# KiCad board bitdoglab_smd.kicad_pcb (continued)
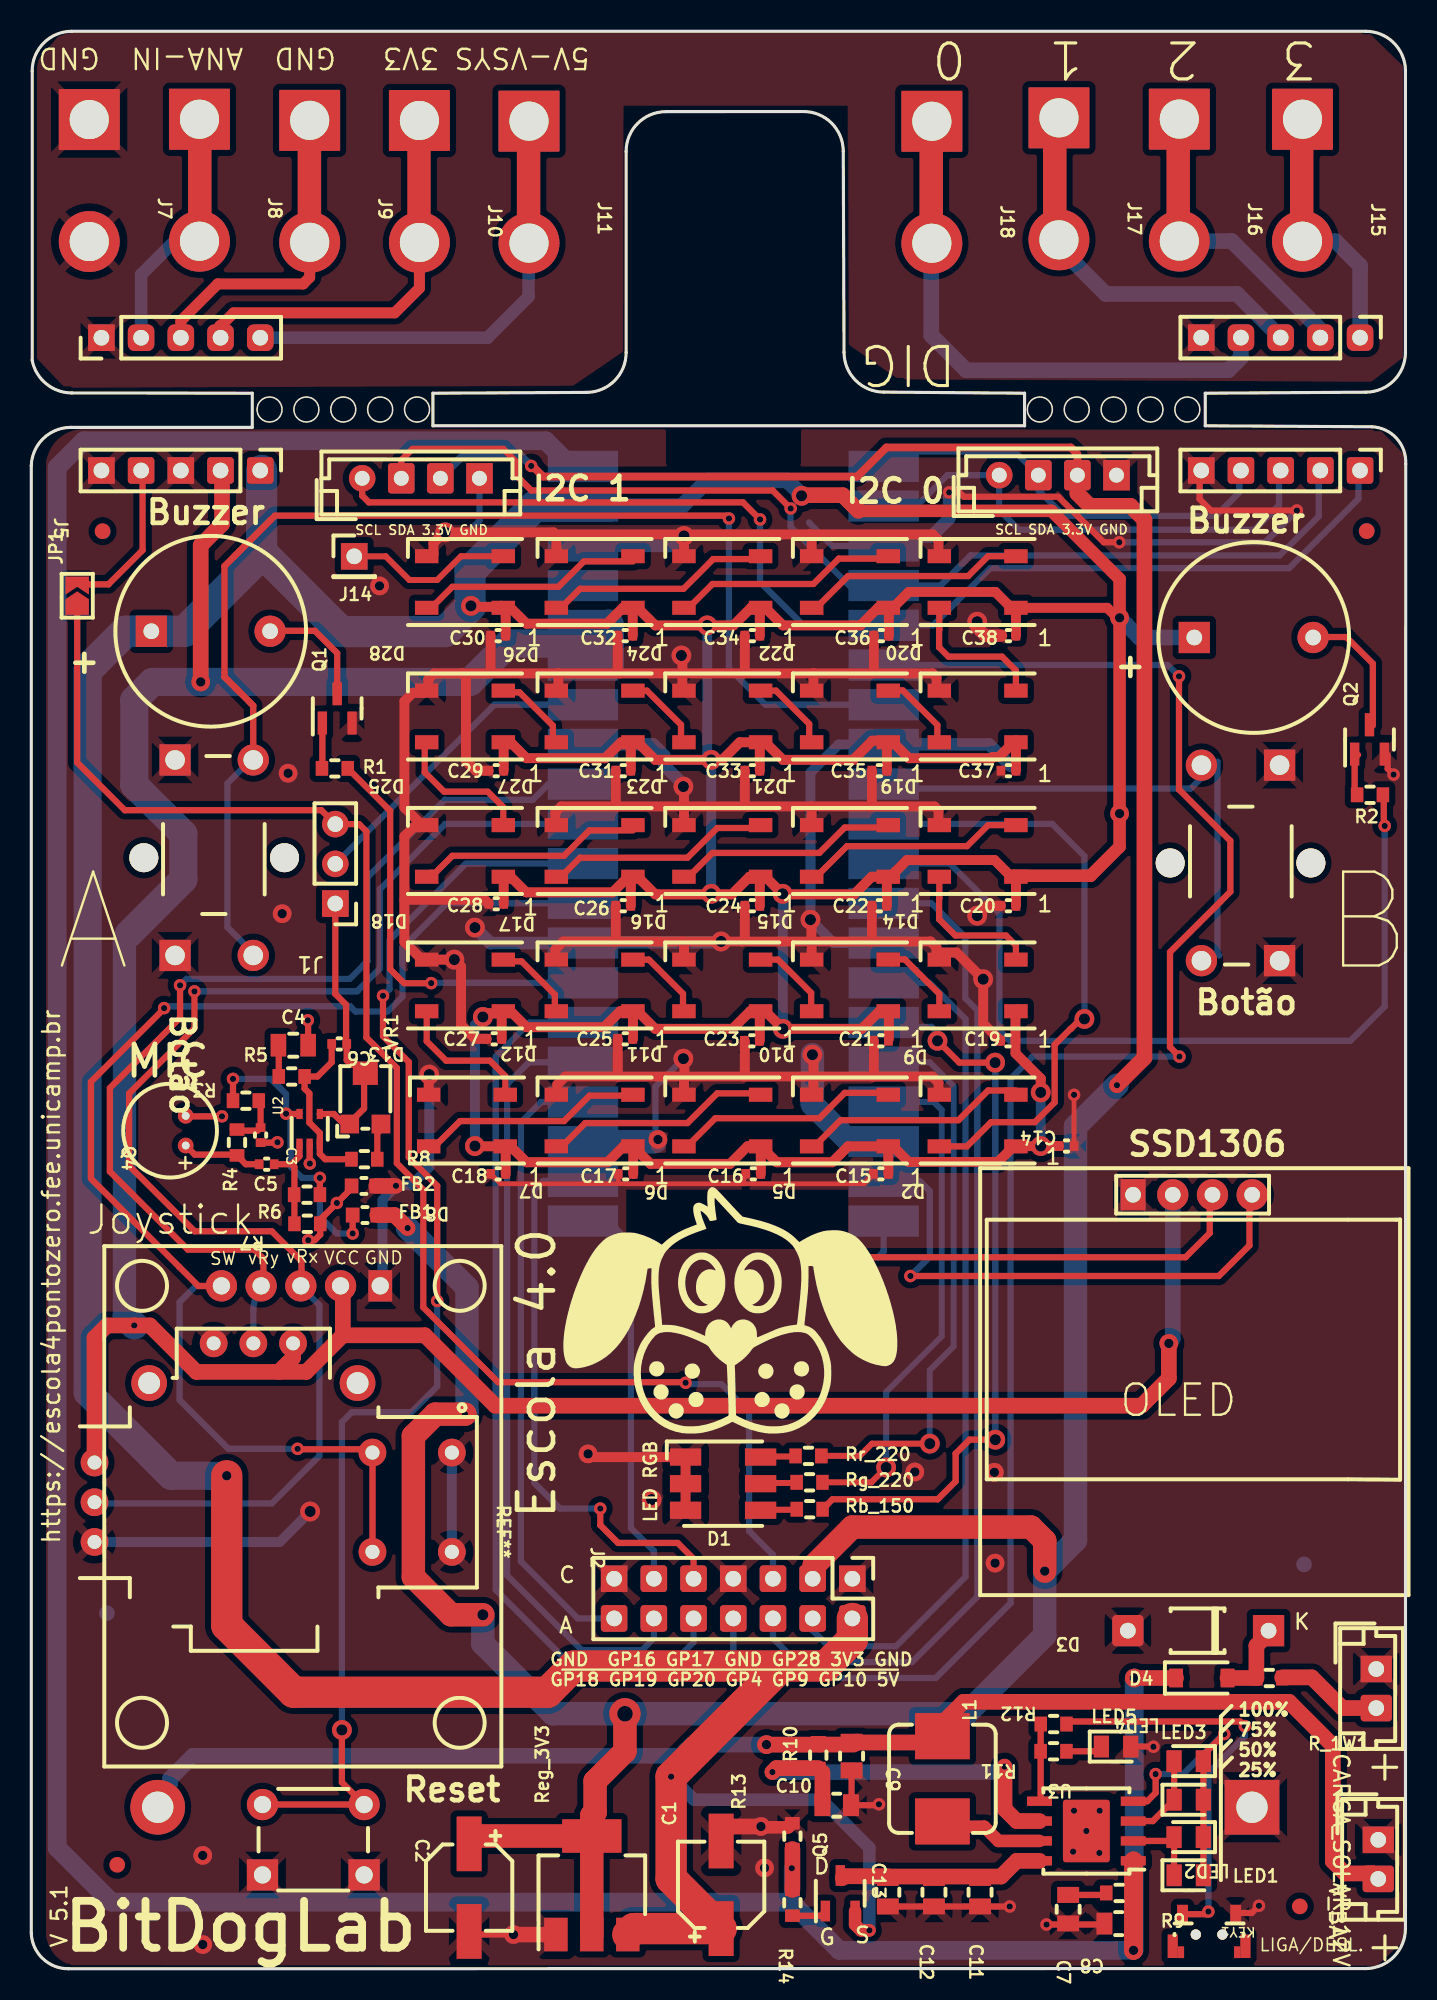
[diagram p0: board, top side]
## Routing (per net, layer and track width the routed paths; a pad name or vN(x,y) marks a point on that pad's centre or on a via; arc(x,y) is an arc through that point) (continued)
Net-(Q1-B): length 2.9
  Top w0.4: R1.2 18.62,76.78 Q1.1
Net-(Q2-B): length 2.7
  Top w0.4: 84.87,77.62 84.65,77.4 84.65,75.27 84.87,75.06
Net-(Q5-D): length 13.4
  Top w0.4: Q5.3 51.91,5.81
  Top w1: U3.8 63.04,6.9 62.03,5.9 54.88,5.9 C13.1 54.68,5.92 52.02,5.92 51.91,5.81
Net-(Q5-G): length 2.1
  Top w0.4: 48.79,3.39 48.79,3.39 50.5,3.39 Q5.1
Net-(U3-BAT): length 25.8
  Top w0.4: R10.1 50.61,12.56
  Top w1: R10.1 47.66,12.83 v1(47.41,12.58) ; U3.6 63.03,9.44 62.26,10.22 v1(62.26,12.93) ; C10.1 50.61,12.56
  Bottom w1: v1(47.41,12.58) 61.91,12.58 v1(62.26,12.93)
Net-(U3-KEY): length 4.9
  Top w0.4: U3.5 64.57,10.79 64.57,15.54
Net-(U3-SW): length 6.9
  Top w0.8: 57.99,9.08 60.96,9.08 61.87,8.17 U3.7
Net-(VR1-E): length 2.2
  Top w0.4: 22.03,53.75 22.13,53.65 R8.2 ; 22.24,53.54 22.36,53.66

## Copper pours and planes (outline as drawn; the poured copper is in the pictures)
GNDA on Bottom: 21.3,48.06 19.86,48.08 19.5,48.08 19.27,47.85 19.27,45.87 11.39,45.87 11.39,61.28 22.66,61.28 22.66,49.42
GNDREF on Top: 0.17,96.48 0.27,2.15 2,0.32 85.52,0.27 87.6,2.2 87.6,96.58 85.82,98.41 2.25,98.46
GNDREF on Top: 0.72,96.39 0.82,2.06 2.55,0.23 86.06,0.18 88.14,2.11 88.14,96.49 86.37,98.32 2.8,98.37
GNDREF on Top, Bottom: -0.02,121.4 -0.07,103.42 2.06,101.19 34.12,101.31 37.32,103.5 37.34,119.22 52.23,119.22 52.25,103.88 55.35,101.72 85.17,101.57 87.2,103.12 87.2,121.76 85.12,123.79 1.91,123.79 -0.02,121.51
GNDREF on Top, Bottom: 0.52,121.31 0.47,103.33 2.61,101.09 34.66,101.22 37.86,103.41 37.89,119.13 52.77,119.13 52.8,103.79 55.89,101.63 85.71,101.48 87.75,103.03 87.75,121.67 85.66,123.7 2.45,123.7 0.52,121.41
GNDREF on Bottom: 0.76,96.21 0.86,1.88 2.59,0.05 86.11,0 88.18,2.15 89.2,96.54 86.41,98.14 2.85,98.19
GNDREF on Bottom: 0.22,96.3 0.32,1.97 2.05,0.14 85.56,0.09 87.64,2.24 88.65,96.64 85.87,98.23 2.3,98.29

## Text on the board
B.Silkscreen: Desenvolvido e / Manufaturado no Brasil | Raspberry / PI / pico | Bateria Li-ion / 18650    3.7V | + | -
User.Eco1: Copper Keepouts shown on Dwgs layer
F.CrtYd: Conn_01x05_Pin
F.Silkscreen: SCL SDA 3.3V GND | LIGA/DESL. | GND  GP16 GP17 GND GP28 3V3 GND / GP18 GP19 GP20 GP4 GP9 GP10 5V | LED RGB | 100% / 75% / 50% / 25% | C / A | D | G | S | V 5.1 | https://escola4pontozero.fee.unicamp.br | 5V-VSYS 3V3   GND  ANA-IN  GND | + | Buzzer | I2C 1 | I2C 0 | Botão | Joystick | MIC | 3   2   1   0 | Escola 4.0 | DIG | BitDogLab | A | B
